# Allegro board RK3588S_Template_LP4XD200P232SD8H2_31X31_2133MHz_H1R0_V11_20220218YWQ.brd (continued)
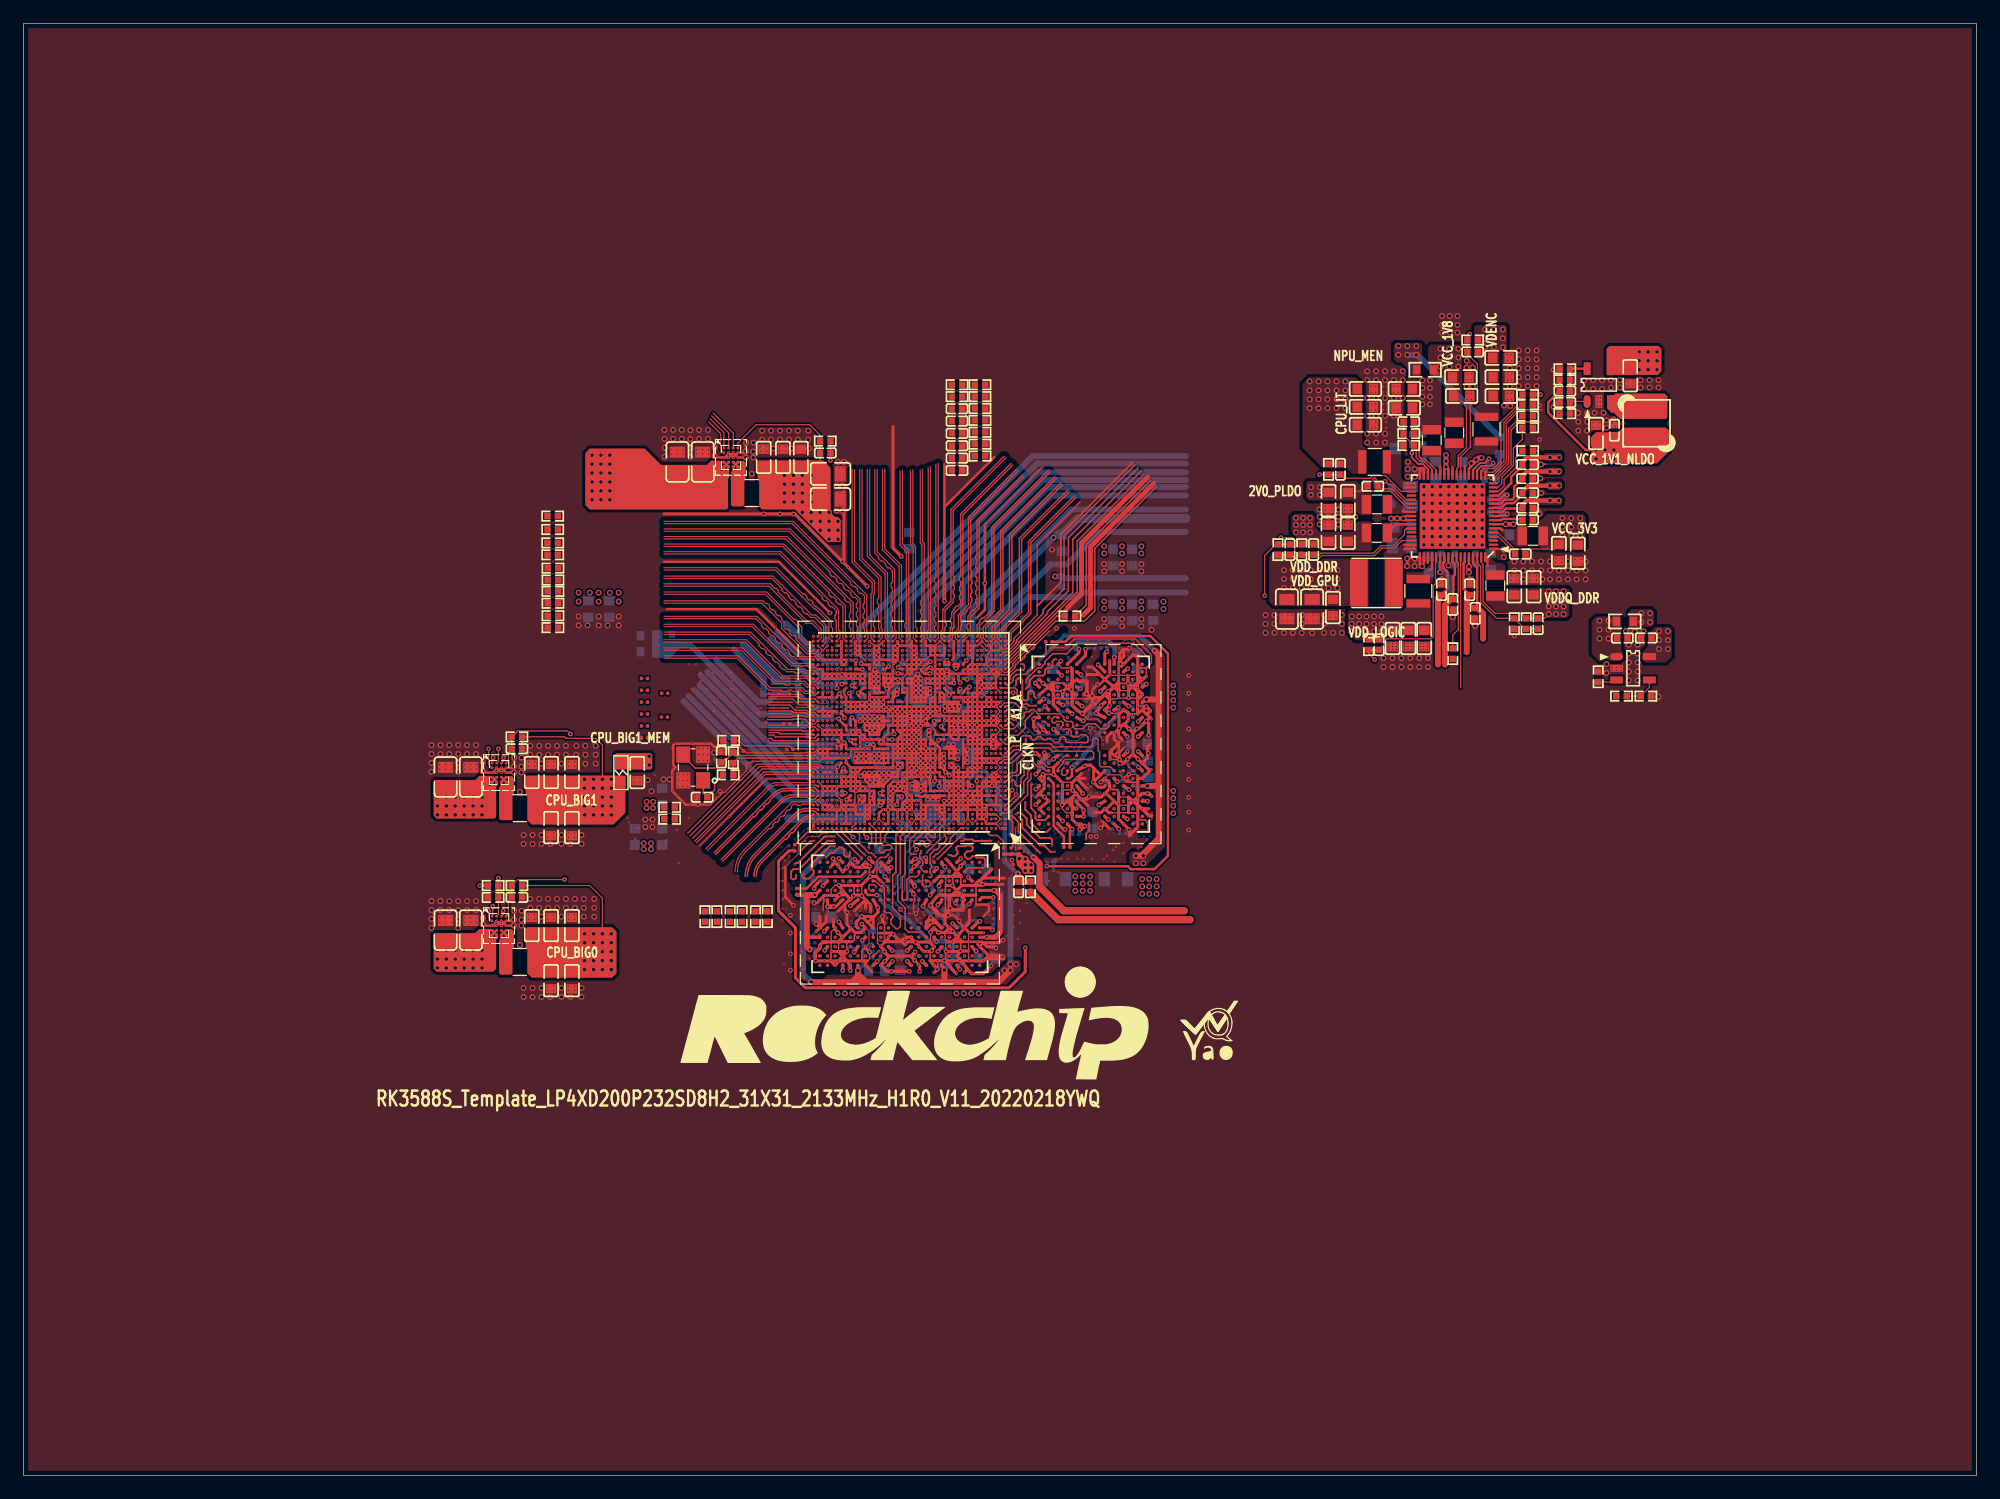
[diagram p0: board, top side]
## Nets (continued)
VDD_CPU_BIG1_MEM_S0: C1025.1 C1026.1 C1076.1 C2316.1 FB2300.2 U1000.V26(VDD_CPU_BIG1_MEM_1) U1000.V27(VDD_CPU_BIG1_MEM_2) U1000.V28(VDD_CPU_BIG1_MEM_3) U1000.V29(VDD_CPU_BIG1_MEM_4)
VDD_CPU_BIG1_S0: C1012.1 C1013.1 C1014.1 C1015.1 C1056.1 C1057.1 C1077.1 C1078.1 C1079.1 C2310.1 C2310.2 C2311.1 C2312.1 C2313.1 C2314.1 C2315.1 FB2300.1 L2301.2 R2301.1 R2301.2 U1000.R26(VDD_CPU_BIG1_1) U1000.R27(VDD_CPU_BIG1_2) U1000.R28(VDD_CPU_BIG1_3) U1000.R29(VDD_CPU_BIG1_4) U1000.R30(VDD_CPU_BIG1_5) U1000.R31(VDD_CPU_BIG1_6) U1000.R32(VDD_CPU_BIG1_7) U1000.R33(VDD_CPU_BIG1_8) U1000.T26(VDD_CPU_BIG1_9) U1000.U26(VDD_CPU_BIG1_10) U2301.A4(VOUT)
VDD_CPU_LIT_S0: C1027.1 C1028.1 C1029.1 C1034.1 C1035.1 C1060.1 C1061.1 C1081.1 C1082.1 C1083.1 C2217.1 C2218.1 C2221.1 C2221.2 C2281.1 L2203.2 R2219.1 R2219.2 U1000.AA28(VDD_CPU_LIT_MEM_1) U1000.AA29(VDD_CPU_LIT_MEM_2) U1000.AA30(VDD_CPU_LIT_MEM_3) U1000.AB31(VDD_CPU_LIT_1) U1000.AC27(VDD_CPU_LIT_2) U1000.AC28(VDD_CPU_LIT_3) U1000.AC29(VDD_CPU_LIT_4) U1000.AC30(VDD_CPU_LIT_5) U1000.AC31(VDD_CPU_LIT_6) U1000.AD26(VDD_CPU_LIT_7) U1000.AD27(VDD_CPU_LIT_8) U1000.AE27(VDD_CPU_LIT_9) U2200.37(VOUT2)
VDD_DDR_S0: C1217.1 C1218.1 C1219.1 C1220.1 C1221.1 C1222.1 C1223.1 C1224.1 C2202.1 C2203.1 C9922.1 C9922.2 L2200.1 R2200.1 R2200.2 U1000.J18(DDR_CH1_VDD_1) U1000.J20(DDR_CH1_VDD_MIF_1) U1000.K18(DDR_CH1_VDD_2) U1000.K20(DDR_CH1_VDD_MIF_2) U1000.L18(DDR_CH1_VDD_3) U1000.L20(DDR_CH1_VDD_MIF_3) U1000.T12(DDR_CH0_VDD_1) U1000.T13(DDR_CH0_VDD_2) U1000.U12(DDR_CH0_VDD_3) U1000.U13(DDR_CH0_VDD_4) U1000.V12(DDR_CH0_VDD_MIF_1) U1000.V13(DDR_CH0_VDD_MIF_2) U1000.V14(DDR_CH0_VDD_MIF_3) U2200.46(VOUT5)
VDD_GPU_S0: C1000.1 C1001.1 C1004.1 C1005.1 C1006.1 C1007.1 C1050.1 C1051.1 C1070.1 C1071.1 C1072.1 C1087.1 C2205.1 C2209.1 C2209.2 C2210.1 C2280.1 L2201.2 R2208.1 R2208.2 U1000.AH18(VDD_GPU_1) U1000.AH19(VDD_GPU_2) U1000.AH20(VDD_GPU_3) U1000.AH21(VDD_GPU_4) U1000.AJ18(VDD_GPU_MEM_1) U1000.AJ19(VDD_GPU_5) U1000.AJ20(VDD_GPU_6) U1000.AJ21(VDD_GPU_7) U1000.AK18(VDD_GPU_MEM_2) U1000.AK21(VDD_GPU_8) U1000.AL18(VDD_GPU_MEM_3) U1000.AL21(VDD_GPU_9) U1000.AM21(VDD_GPU_10) U1000.AM22(VDD_GPU_11) U1000.AN21(VDD_GPU_12) U1000.AN22(VDD_GPU_13) U2200.49(VOUT1)
VDD_LOGIC_S0: C1017.1 C1019.1 C1020.1 C1021.1 C1022.1 C1023.1 C1024.1 C1058.1 C1059.1 C2230.1 C2230.2 C2231.1 C2232.1 C2282.1 L2205.2 R2238.1 R2238.2 U1000.AF12(VDD_LOGIC_5) U1000.AF13(VDD_LOGIC_6) U1000.AH11(VDD_LOGIC_7) U1000.AH12(VDD_LOGIC_8) U1000.AH13(VDD_LOGIC_9) U1000.AH14(VDD_LOGIC_10) U1000.AH15(VDD_LOGIC_11) U1000.AH23(VDD_LOGIC_12) U1000.AH24(VDD_LOGIC_13) U1000.AJ15(VDD_LOGIC_14) U1000.AJ31(VDD_LOGIC_15) U1000.AJ32(VDD_LOGIC_16) U1000.AK15(VDD_LOGIC_17) U1000.AL31(VDD_LOGIC_18) U1000.H27(VDD_LOGIC_1) U1000.J27(VDD_LOGIC_2) U1000.W33(VDD_LOGIC_3) U1000.Y33(VDD_LOGIC_4) U2200.56(VOUT3)
VDD_NPU_S0: C1038.1 C1039.1 C1040.1 C1041.1 C1042.1 C1043.1 C1054.1 C1055.1 C1084.1 C1085.1 C2319.1 C2319.2 C2320.1 C2321.1 C2322.1 C2323.1 C2324.1 L2302.2 R2304.1 R2304.2 U1000.AH25(VDD_NPU_MEM_1) U1000.AH26(VDD_NPU_MEM_2) U1000.AJ25(VDD_NPU_MEM_3) U1000.AK25(VDD_NPU_MEM_4) U1000.AK27(VDD_NPU_1) U1000.AK28(VDD_NPU_2) U1000.AK29(VDD_NPU_3) U1000.AL28(VDD_NPU_4) U1000.AL29(VDD_NPU_5) U1000.AL30(VDD_NPU_6) U1000.AM30(VDD_NPU_7) U1000.AN30(VDD_NPU_8) U1000.AP30(VDD_NPU_9) U2302.A4(VOUT)
VDD_VDENC_S0: C1030.1 C1031.1 C1032.1 C1033.1 C1036.1 C1037.1 C1063.1 C1080.1 C1090.1 C2237.1 C2240.1 C2283.1 C2291.1 C2291.2 L2207.2 R2209.1 R2209.2 U1000.AC16(VDD_VDENC_6) U1000.AD15(VDD_VDENC_7) U1000.P15(VDD_VDENC_1) U1000.R15(VDD_VDENC_2) U1000.T15(VDD_VDENC_3) U1000.U15(VDD_VDENC_4) U1000.W16(VDD_VDENC_5) U1000.W17(VDD_VDENC_MEM_1) U1000.Y17(VDD_VDENC_MEM_2) U2200.24(VOUT4)
VDDA_0V75_S0: C1103.1 C1113.1 C1407.1 C1507.1 C1602.1 C1603.1 C1605.1 C1611.1 C1613.1 C1710.1 C1711.1 C1712.1 C1718.1 C1725.1 C2259.1 U1000.AM13(HDMI/EDP_TX0_VDD_0V75_1) U1000.AM37(MIPI_CSI0_AVCC0V75) U1000.AN8(OTP_VDDOTP_0V75) U1000.AN10(HDMI/EDP_TX0_AVDD_0V75) U1000.AN12(HDMI/EDP_TX0_VDD_0V75_2) U1000.AR27(MIPI_D/C_PHY1_VDD) U1000.AR33(MIPI_D/C_PHY0_VDD) U1000.AT11(USB20_DVDD_0V75_1) U1000.AT12(USB20_DVDD_0V75_2) U1000.Y26(PLL_DVDD0V75) U2200.11(NLDO3)
VDDA_0V85_S0: C1400.1 C1401.1 C1402.1 C1800.1 C1801.1 C2263.1 U1000.AP18(TYPEC0_DP0_VDDA_0V85_1) U1000.AR19(TYPEC0_DP0_VDDA_0V85_2) U1000.AT18(TYPEC0_DP0_VDD_0V85) U1000.H36(PCIE20_SATA30_0_AVDD_0V85) U1000.J36(PCIE20_SATA30_USB30_2_AVDD_0V85) U2200.10(NLDO4)
VDDA_1V2_S0: C1607.1 C1608.1 C2250.1 U1000.AR34(MIPI_D/C_PHY_VDD_1V2_1) U1000.AR35(MIPI_D/C_PHY_VDD_1V2_2) U2200.57(PLDO3)
VDDA_DDR_PLL_S0: C1210.1 C1215.1 C2258.1 U1000.AB14(DDR_CH0_PLL_DVDD) U1000.M16(DDR_CH1_PLL_DVDD) U2200.12(NLDO2)
VDDQ_DDR: C3807.1 C3808.1 C3809.1 C3810.1 C3811.1 C3812.1 C3813.1 C3814.1 C3815.1 C3816.1 C3817.1 C3818.1 C3819.1 C3820.1 C3821.1 C3822.1 C3823.1 C3824.1 C3825.1 C3849.1 C3850.1 C3851.1 C3852.1 C3853.1 C3854.1 C3855.1 C3856.1 C3857.1 C3858.1 C3859.1 C3860.1 C3861.1 C3862.1 C3863.1 C3864.1 C3865.1 C3866.1 C3867.1 R3804.1 R3805.1 R3806.1 R3807.1 R3808.1 R3809.1 U3800.AA3(VDDQ_17) U3800.AA5(VDDQ_18) U3800.AA8(VDDQ_19) U3800.AA10(VDDQ_20) U3800.B3(VDDQ_1) U3800.B5(VDDQ_2) U3800.B8(VDDQ_3) U3800.B10(VDDQ_4) U3800.D1(VDDQ_5) U3800.D5(VDDQ_6) U3800.D8(VDDQ_7) U3800.D12(VDDQ_8) U3800.F3(VDDQ_9) U3800.F10(VDDQ_10) U3800.U3(VDDQ_11) U3800.U10(VDDQ_12) U3800.W1(VDDQ_13) U3800.W5(VDDQ_14) U3800.W8(VDDQ_15) U3800.W12(VDDQ_16) U3801.AA3(VDDQ_17) U3801.AA5(VDDQ_18) U3801.AA8(VDDQ_19) U3801.AA10(VDDQ_20) U3801.B3(VDDQ_1) U3801.B5(VDDQ_2) U3801.B8(VDDQ_3) U3801.B10(VDDQ_4) U3801.D1(VDDQ_5) U3801.D5(VDDQ_6) U3801.D8(VDDQ_7) U3801.D12(VDDQ_8) U3801.F3(VDDQ_9) U3801.F10(VDDQ_10) U3801.U3(VDDQ_11) U3801.U10(VDDQ_12) U3801.W1(VDDQ_13) U3801.W5(VDDQ_14) U3801.W8(VDDQ_15) U3801.W12(VDDQ_16)
VDDQ_DDR_CK_S0: C1213.1 C1216.1 R3821.2 U1000.H24(DDR_CH1_VDDQ_CK) U1000.K9(DDR_CH0_VDDQ_CK_1) U1000.L9(DDR_CH0_VDDQ_CK_2)
VDDQ_DDR_CKE_S3: C1211.1 C1212.1 R3820.2 U1000.G24(DDR_CH1_VDDQ_CKE) U1000.M6(DDR_CH0_VDDQ_CKE_1) U1000.M7(DDR_CH0_VDDQ_CKE_2)
VDDQ_DDR_S0: C1200.1 C1202.1 C1203.1 C1204.1 C1205.1 C1206.1 C1207.1 C1208.1 C1250.1 C1251.1 C1252.1 C1253.1 C2227.1 C2228.1 C2229.1 L2204.1 R1200.2 R1201.2 R1202.2 R1203.2 R2236.1 R3808.2 R3821.1 U1000.H14(DDR_CH1_VDDQ_1) U1000.H15(DDR_CH1_VDDQ_2) U1000.H16(DDR_CH1_VDDQ_3) U1000.H18(DDR_CH1_VDDQ_4) U1000.H20(DDR_CH1_VDDQ_5) U1000.P10(DDR_CH0_VDDQ_1) U1000.R10(DDR_CH0_VDDQ_2) U1000.T10(DDR_CH0_VDDQ_3) U1000.V10(DDR_CH0_VDDQ_4) U1000.W10(DDR_CH0_VDDQ_5) U1000.Y10(DDR_CH0_VDDQ_6) U2200.67(VOUT9)
ALPS_INT_L: U1000.N41(GPIO1_C1_Z)
BIG/NPU_EN: R2302.2 R2303.1 U2300.A2(EN) U2301.A2(EN) U2302.A2(EN)
BQ_OTG_EN_H: U1000.AV18(GPIO4_A6_D)
BT_REG_ON_H: U1000.AL39(GPIO0_D4_U)
BT_WAKE_HOST_H: U1000.AG38(GPIO0_C5_U)
CC_INT0_L: U1000.AL38(GPIO0_C4_D)
CHRG_OK_H: U1000.AM39(GPIO0_D5_U)
DDR_CH0_A0_A: U1000.U1(DDR_CH0_A0_A) U3800.H2(CA0_A)
DDR_CH0_A0_B: U1000.U2(DDR_CH0_A0_B) U3800.R2(CA0_B)
DDR_CH0_A1_A: U1000.AC2(DDR_CH0_A1_A) U3800.J2(CA1_A)
DDR_CH0_A1_B: U1000.R2(DDR_CH0_A1_B) U3800.P2(CA1_B)
DDR_CH0_A2_A: U1000.AF1(DDR_CH0_A2_A) U3800.H9(CA2_A)
DDR_CH0_A2_B: U1000.R1(DDR_CH0_A2_B) U3800.R9(CA2_B)
DDR_CH0_A3_A: U1000.AL2(DDR_CH0_A3_A) U3800.H10(CA3_A)
DDR_CH0_A3_B: U1000.D2(DDR_CH0_A3_B) U3800.R10(CA3_B)
DDR_CH0_A4_A: U1000.Y1(DDR_CH0_A4_A) U3800.H11(CA4_A)
DDR_CH0_A4_B: U1000.E1(DDR_CH0_A4_B) U3800.R11(CA4_B)
DDR_CH0_A5_A: U1000.AG2(DDR_CH0_A5_A) U3800.J11(CA5_A)
DDR_CH0_A5_B: U1000.L1(DDR_CH0_A5_B) U3800.P11(CA5_B)
DDR_CH0_A6_A: U1000.AM2(DDR_CH0_A6_A)
DDR_CH0_A6_B: U1000.H1(DDR_CH0_A6_B)
DDR_CH0_CLKN_A: U1000.AA1(DDR_CH0_CKB_A) U3800.J9(CK_C_A)
DDR_CH0_CLKN_B: U1000.V1(DDR_CH0_CKB_B) U3800.P9(CK_C_B)
DDR_CH0_CLKP_A: U1000.AA2(DDR_CH0_CK_A) U3800.J8(CK_T_A)
DDR_CH0_CLKP_B: U1000.V2(DDR_CH0_CK_B) U3800.P8(CK_T_B)
DDR_CH0_DM0_A: U1000.AE1(DDR_CH0_DM0_A) U3800.C3(DMI0_A)
DDR_CH0_DM0_B: U1000.V5(DDR_CH0_DM0_B) U3800.Y3(DMI0_B)
DDR_CH0_DM1_A: U1000.AK4(DDR_CH0_DM1_A) U3800.C10(DMI1_A)
DDR_CH0_DM1_B: U1000.G2(DDR_CH0_DM1_B) U3800.Y10(DMI1_B)
DDR_CH0_DQ0_A: U1000.AJ2(DDR_CH0_DQ0_A) U3800.B2(DQ0_A)
DDR_CH0_DQ0_B: U1000.U3(DDR_CH0_DQ0_B) U3800.AA2(DQ0_B)
DDR_CH0_DQ1_A: U1000.AB4(DDR_CH0_DQ1_A) U3800.C2(DQ1_A)
DDR_CH0_DQ1_B: U1000.AA5(DDR_CH0_DQ1_B) U3800.Y2(DQ1_B)
DDR_CH0_DQ2_A: U1000.AJ1(DDR_CH0_DQ2_A) U3800.E2(DQ2_A)
DDR_CH0_DQ2_B: U1000.N1(DDR_CH0_DQ2_B) U3800.V2(DQ2_B)
DDR_CH0_DQ3_A: U1000.AB3(DDR_CH0_DQ3_A) U3800.F2(DQ3_A)
DDR_CH0_DQ3_B: U1000.U5(DDR_CH0_DQ3_B) U3800.U2(DQ3_B)
DDR_CH0_DQ4_A: U1000.AB5(DDR_CH0_DQ4_A) U3800.F4(DQ4_A)
DDR_CH0_DQ4_B: U1000.P4(DDR_CH0_DQ4_B) U3800.U4(DQ4_B)
DDR_CH0_DQ5_A: U1000.AE5(DDR_CH0_DQ5_A) U3800.E4(DQ5_A)
DDR_CH0_DQ5_B: U1000.P3(DDR_CH0_DQ5_B) U3800.V4(DQ5_B)
DDR_CH0_DQ6_A: U1000.AE2(DDR_CH0_DQ6_A) U3800.C4(DQ6_A)
DDR_CH0_DQ6_B: U1000.U4(DDR_CH0_DQ6_B) U3800.Y4(DQ6_B)
DDR_CH0_DQ7_A: U1000.AF3(DDR_CH0_DQ7_A) U3800.B4(DQ7_A)
DDR_CH0_DQ7_B: U1000.P5(DDR_CH0_DQ7_B) U3800.AA4(DQ7_B)
DDR_CH0_DQ8_A: U1000.AK5(DDR_CH0_DQ8_A) U3800.B11(DQ8_A)
DDR_CH0_DQ8_B: U1000.G5(DDR_CH0_DQ8_B) U3800.AA11(DQ8_B)
DDR_CH0_DQ9_A: U1000.AN5(DDR_CH0_DQ9_A) U3800.C11(DQ9_A)
DDR_CH0_DQ9_B: U1000.J3(DDR_CH0_DQ9_B) U3800.Y11(DQ9_B)
DDR_CH0_DQ10_A: U1000.AN4(DDR_CH0_DQ10_A) U3800.E11(DQ10_A)
DDR_CH0_DQ10_B: U1000.G4(DDR_CH0_DQ10_B) U3800.V11(DQ10_B)
DDR_CH0_DQ11_A: U1000.AJ6(DDR_CH0_DQ11_A) U3800.F11(DQ11_A)
DDR_CH0_DQ11_B: U1000.J4(DDR_CH0_DQ11_B) U3800.U11(DQ11_B)
DDR_CH0_DQ12_A: U1000.AJ3(DDR_CH0_DQ12_A) U3800.F9(DQ12_A)
DDR_CH0_DQ12_B: U1000.N5(DDR_CH0_DQ12_B) U3800.U9(DQ12_B)
DDR_CH0_DQ13_A: U1000.AK3(DDR_CH0_DQ13_A) U3800.E9(DQ13_A)
DDR_CH0_DQ13_B: U1000.N2(DDR_CH0_DQ13_B) U3800.V9(DQ13_B)
DDR_CH0_DQ14_A: U1000.AF4(DDR_CH0_DQ14_A) U3800.C9(DQ14_A)
DDR_CH0_DQ14_B: U1000.J5(DDR_CH0_DQ14_B) U3800.Y9(DQ14_B)
DDR_CH0_DQ15_A: U1000.AF5(DDR_CH0_DQ15_A) U3800.B9(DQ15_A)
DDR_CH0_DQ15_B: U1000.N6(DDR_CH0_DQ15_B) U3800.AA9(DQ15_B)
DDR_CH0_DQS0N_A: U1000.AN2(DDR_CH0_DQS0N_A) U3800.E3(DQS0_C_A)
DDR_CH0_DQS0N_B: U1000.B1(DDR_CH0_DQS0N_B) U3800.V3(DQS0_C_B)
DDR_CH0_DQS0P_A: U1000.AN1(DDR_CH0_DQS0P_A) U3800.D3(DQS0_T_A)
DDR_CH0_DQS0P_B: U1000.B2(DDR_CH0_DQS0P_B) U3800.W3(DQS0_T_B)
DDR_CH0_DQS1N_A: U1000.AV3(DDR_CH0_DQS1N_A) U3800.E10(DQS1_C_A)
DDR_CH0_DQS1N_B: U1000.K2(DDR_CH0_DQS1N_B) U3800.V10(DQS1_C_B)
DDR_CH0_DQS1P_A: U1000.AV4(DDR_CH0_DQS1P_A) U3800.D10(DQS1_T_A)
DDR_CH0_DQS1P_B: U1000.K1(DDR_CH0_DQS1P_B) U3800.W10(DQS1_T_B)
DDR_CH0_LP4/4X_CKE0/LP5_CS0_A: R3810.1 U1000.AK1(DDR_CH0_LP4/4X_CKE0/LP5_CS0_A)
DDR_CH0_LP4/4X_CKE0/LP5_CS0_B: R3812.2 U1000.H2(DDR_CH0_LP4/4X_CKE0/LP5_CS0_B)
DDR_CH0_LP4/4X_CKE1/LP5_CS1_A: R3811.1 U1000.AD1(DDR_CH0_LP4/4X_CKE1/LP5_CS1_A)
DDR_CH0_LP4/4X_CKE1/LP5_CS1_B: R3813.2 U1000.F1(DDR_CH0_LP4/4X_CKE1/LP5_CS1_B)
DDR_CH0_LP4/4X_CS0_A: U1000.Y2(DDR_CH0_LP4/4X_CS0_A) U3800.H4(CS0_A)
DDR_CH0_LP4/4X_CS0_B: U1000.J1(DDR_CH0_LP4/4X_CS0_B) U3800.R4(CS0_B)
DDR_CH0_LP4/4X_CS1_A: U1000.AC1(DDR_CH0_LP4/4X_CS1_A) U3800.H3(CS1_A)
DDR_CH0_LP4/4X_CS1_B: U1000.M1(DDR_CH0_LP4/4X_CS1_B) U3800.R3(CS1_B)
DDR_CH0_WCK0N_A: U1000.AR5(DDR_CH0_WCK0N_A)
DDR_CH0_WCK0N_B: U1000.C3(DDR_CH0_WCK0N_B)
DDR_CH0_WCK0P_A: U1000.AR6(DDR_CH0_WCK0P_A)
DDR_CH0_WCK0P_B: U1000.C4(DDR_CH0_WCK0P_B)
DDR_CH0_WCK1N_A: U1000.AT3(DDR_CH0_WCK1N_A)
DDR_CH0_WCK1N_B: U1000.E4(DDR_CH0_WCK1N_B)
DDR_CH0_WCK1P_A: U1000.AT4(DDR_CH0_WCK1P_A)
DDR_CH0_WCK1P_B: U1000.E3(DDR_CH0_WCK1P_B)
DDR_CH1_A0_C: U1000.B18(DDR_CH1_A0_C) U3801.H2(CA0_A)
DDR_CH1_A0_D: U1000.A26(DDR_CH1_A0_D) U3801.R2(CA0_B)
DDR_CH1_A1_C: U1000.A21(DDR_CH1_A1_C) U3801.J2(CA1_A)
DDR_CH1_A1_D: U1000.A27(DDR_CH1_A1_D) U3801.P2(CA1_B)
DDR_CH1_A2_C: U1000.B22(DDR_CH1_A2_C) U3801.H9(CA2_A)
DDR_CH1_A2_D: U1000.A30(DDR_CH1_A2_D) U3801.R9(CA2_B)
DDR_CH1_A3_C: U1000.A7(DDR_CH1_A3_C) U3801.H10(CA3_A)
DDR_CH1_A3_D: U1000.A36(DDR_CH1_A3_D) U3801.R10(CA3_B)
DDR_CH1_A4_C: U1000.A10(DDR_CH1_A4_C) U3801.H11(CA4_A)
DDR_CH1_A4_D: U1000.B33(DDR_CH1_A4_D) U3801.R11(CA4_B)
DDR_CH1_A5_C: U1000.A15(DDR_CH1_A5_C) U3801.J11(CA5_A)
DDR_CH1_A5_D: U1000.A38(DDR_CH1_A5_D) U3801.P11(CA5_B)
DDR_CH1_A6_C: U1000.B7(DDR_CH1_A6_C)
DDR_CH1_A6_D: U1000.A33(DDR_CH1_A6_D)
DDR_CH1_CLKN_C: U1000.D21(DDR_CH1_CKB_C) U3801.J9(CK_C_A)
DDR_CH1_CLKN_D: U1000.D23(DDR_CH1_CKB_D) U3801.P9(CK_C_B)
DDR_CH1_CLKP_C: U1000.C21(DDR_CH1_CK_C) U3801.J8(CK_T_A)
DDR_CH1_CLKP_D: U1000.C23(DDR_CH1_CK_D) U3801.P8(CK_T_B)
DDR_CH1_DM0_C: U1000.E17(DDR_CH1_DM0_C) U3801.C3(DMI0_A)
DDR_CH1_DM0_D: U1000.D27(DDR_CH1_DM0_D) U3801.Y3(DMI0_B)
DDR_CH1_DM1_C: U1000.D13(DDR_CH1_DM1_C) U3801.C10(DMI1_A)
DDR_CH1_DM1_D: U1000.C33(DDR_CH1_DM1_D) U3801.Y10(DMI1_B)
DDR_CH1_DQ0_C: U1000.B20(DDR_CH1_DQ0_C) U3801.B2(DQ0_A)
DDR_CH1_DQ0_D: U1000.A24(DDR_CH1_DQ0_D) U3801.AA2(DQ0_B)
DDR_CH1_DQ1_C: U1000.E20(DDR_CH1_DQ1_C) U3801.C2(DQ1_A)
DDR_CH1_DQ1_D: U1000.C25(DDR_CH1_DQ1_D) U3801.Y2(DQ1_B)
DDR_CH1_DQ2_C: U1000.A20(DDR_CH1_DQ2_C) U3801.E2(DQ2_A)
DDR_CH1_DQ2_D: U1000.B24(DDR_CH1_DQ2_D) U3801.V2(DQ2_B)
DDR_CH1_DQ3_C: U1000.F20(DDR_CH1_DQ3_C) U3801.F2(DQ3_A)
DDR_CH1_DQ3_D: U1000.A28(DDR_CH1_DQ3_D) U3801.U2(DQ3_B)
DDR_CH1_DQ4_C: U1000.C17(DDR_CH1_DQ4_C) U3801.F4(DQ4_A)
DDR_CH1_DQ4_D: U1000.D25(DDR_CH1_DQ4_D) U3801.U4(DQ4_B)
DDR_CH1_DQ5_C: U1000.C16(DDR_CH1_DQ5_C) U3801.E4(DQ5_A)
DDR_CH1_DQ5_D: U1000.B28(DDR_CH1_DQ5_D) U3801.V4(DQ5_B)
DDR_CH1_DQ6_C: U1000.D17(DDR_CH1_DQ6_C) U3801.C4(DQ6_A)
DDR_CH1_DQ6_D: U1000.C27(DDR_CH1_DQ6_D) U3801.Y4(DQ6_B)
DDR_CH1_DQ7_C: U1000.D16(DDR_CH1_DQ7_C) U3801.B4(DQ7_A)
DDR_CH1_DQ7_D: U1000.C29(DDR_CH1_DQ7_D) U3801.AA4(DQ7_B)
DDR_CH1_DQ8_C: U1000.D10(DDR_CH1_DQ8_C) U3801.B11(DQ8_A)
DDR_CH1_DQ8_D: U1000.D34(DDR_CH1_DQ8_D) U3801.AA11(DQ8_B)
DDR_CH1_DQ9_C: U1000.B12(DDR_CH1_DQ9_C) U3801.C11(DQ9_A)
DDR_CH1_DQ9_D: U1000.D29(DDR_CH1_DQ9_D) U3801.Y11(DQ9_B)
DDR_CH1_DQ10_C: U1000.A12(DDR_CH1_DQ10_C) U3801.E11(DQ10_A)
DDR_CH1_DQ10_D: U1000.E29(DDR_CH1_DQ10_D) U3801.V11(DQ10_B)
DDR_CH1_DQ11_C: U1000.C10(DDR_CH1_DQ11_C) U3801.F11(DQ11_A)
DDR_CH1_DQ11_D: U1000.E32(DDR_CH1_DQ11_D) U3801.U11(DQ11_B)
DDR_CH1_DQ12_C: U1000.C13(DDR_CH1_DQ12_C) U3801.F9(DQ12_A)
DDR_CH1_DQ12_D: U1000.B32(DDR_CH1_DQ12_D) U3801.U9(DQ12_B)
DDR_CH1_DQ13_C: U1000.E13(DDR_CH1_DQ13_C) U3801.E9(DQ13_A)
DDR_CH1_DQ13_D: U1000.C34(DDR_CH1_DQ13_D) U3801.V9(DQ13_B)
DDR_CH1_DQ14_C: U1000.A16(DDR_CH1_DQ14_C) U3801.C9(DQ14_A)
DDR_CH1_DQ14_D: U1000.C32(DDR_CH1_DQ14_D) U3801.Y9(DQ14_B)
DDR_CH1_DQ15_C: U1000.B16(DDR_CH1_DQ15_C) U3801.B9(DQ15_A)
DDR_CH1_DQ15_D: U1000.A32(DDR_CH1_DQ15_D) U3801.AA9(DQ15_B)
DDR_CH1_DQS0N_C: U1000.B9(DDR_CH1_DQS0N_C) U3801.E3(DQS0_C_A)
DDR_CH1_DQS0N_D: U1000.A41(DDR_CH1_DQS0N_D) U3801.V3(DQS0_C_B)
DDR_CH1_DQS0P_C: U1000.A9(DDR_CH1_DQS0P_C) U3801.D3(DQS0_T_A)
DDR_CH1_DQS0P_D: U1000.B41(DDR_CH1_DQS0P_D) U3801.W3(DQS0_T_B)
DDR_CH1_DQS1N_C: U1000.A4(DDR_CH1_DQS1N_C) U3801.E10(DQS1_C_A)
DDR_CH1_DQS1N_D: U1000.C36(DDR_CH1_DQS1N_D) U3801.V10(DQS1_C_B)
DDR_CH1_DQS1P_C: U1000.A3(DDR_CH1_DQS1P_C) U3801.D10(DQS1_T_A)
DDR_CH1_DQS1P_D: U1000.D36(DDR_CH1_DQS1P_D) U3801.W10(DQS1_T_B)
DDR_CH1_LP4/4X_CKE0/LP5_CS0_C: R3814.1 U1000.A18(DDR_CH1_LP4/4X_CKE0/LP5_CS0_C)
DDR_CH1_LP4/4X_CKE0/LP5_CS0_D: R3816.2 U1000.A35(DDR_CH1_LP4/4X_CKE0/LP5_CS0_D)
DDR_CH1_LP4/4X_CKE1/LP5_CS1_C: R3815.1 U1000.A13(DDR_CH1_LP4/4X_CKE1/LP5_CS1_C)
DDR_CH1_LP4/4X_CKE1/LP5_CS1_D: R3817.2 U1000.A31(DDR_CH1_LP4/4X_CKE1/LP5_CS1_D)
DDR_CH1_LP4/4X_CS0_C: U1000.B15(DDR_CH1_LP4/4X_CS0_C) U3801.H4(CS0_A)
DDR_CH1_LP4/4X_CS0_D: U1000.B30(DDR_CH1_LP4/4X_CS0_D) U3801.R4(CS0_B)
DDR_CH1_LP4/4X_CS1_C: U1000.A19(DDR_CH1_LP4/4X_CS1_C) U3801.H3(CS1_A)
DDR_CH1_LP4/4X_CS1_D: U1000.A23(DDR_CH1_LP4/4X_CS1_D) U3801.R3(CS1_B)
DDR_CH1_WCK0N_C: U1000.D8(DDR_CH1_WCK0N_C)
DDR_CH1_WCK0N_D: U1000.A39(DDR_CH1_WCK0N_D)
DDR_CH1_WCK0P_C: U1000.C8(DDR_CH1_WCK0P_C)
DDR_CH1_WCK0P_D: U1000.B39(DDR_CH1_WCK0P_D)
DDR_CH1_WCK1N_C: U1000.A6(DDR_CH1_WCK1N_C)
DDR_CH1_WCK1N_D: U1000.B37(DDR_CH1_WCK1N_D)
DDR_CH1_WCK1P_C: U1000.B6(DDR_CH1_WCK1P_C)
DDR_CH1_WCK1P_D: U1000.A37(DDR_CH1_WCK1P_D)
DDR_RESET: C3898.1 C3899.1 U1000.AG1(DDR_CH0_RESET_A) U3800.T11(RESET_N) U3801.T11(RESET_N)
EDP_TX0_AUXN: U1000.AY1(HDMI_TX0_SBDN/EDP_TX0_AUXN)
EDP_TX0_AUXP: U1000.BA1(HDMI_TX0_SBDP/EDP_TX0_AUXP)
EDP_TX0_D0N: U1000.BA4(HDMI_TX0_D0N/EDP_TX0_D0N)
EDP_TX0_D0P: U1000.BB4(HDMI_TX0_D0P/EDP_TX0_D0P)
EDP_TX0_D1N: U1000.BB5(HDMI_TX0_D1N/EDP_TX0_D1N)
EDP_TX0_D1P: U1000.BA5(HDMI_TX0_D1P/EDP_TX0_D1P)
EDP_TX0_D2N: U1000.BA7(HDMI_TX0_D2N/EDP_TX0_D2N)
EDP_TX0_D2P: U1000.BB7(HDMI_TX0_D2P/EDP_TX0_D2P)
EDP_TX0_D3N: U1000.BB2(HDMI_TX0_D3N/EDP_TX0_D3N)
EDP_TX0_D3P: U1000.BA2(HDMI_TX0_D3P/EDP_TX0_D3P)
EMMC_CLKOUT: R1309.2
EMMC_CMD: R1306.2
EMMC_CMD/FSPI_CLK: R1306.1 R1316.1 U1000.AE42(GPIO2_A0_U)
EMMC_D0: R1300.2
EMMC_D0/FSPI_D0: R1300.1 R1308.1 U1000.Y41(GPIO2_D0_U)
EMMC_D1: R1301.2
EMMC_D1/FSPI_D1: R1301.1 R1310.1 U1000.Y40(GPIO2_D1_U)
EMMC_D2: R1302.2
EMMC_D2/FSPI_D2: R1302.1 R1312.1 U1000.AA41(GPIO2_D2_U)
EMMC_D3: R1303.2
EMMC_D3/FSPI_D3: R1303.1 R1313.1 U1000.AA42(GPIO2_D3_U)
EMMC_D4: R1305.2
EMMC_D5: R1330.2
EMMC_D6: R1304.2
EMMC_D6/FSPI_CS0: R1304.1 R1315.1 U1000.AD41(GPIO2_D6_U)
EMMC_D7: U1000.AE41(GPIO2_D7_U)
EMMC_DATA_STROBE: U1000.AC40(GPIO2_A2_D)
EMMC_RSTN: U1000.AD40(GPIO2_A3_D)
FSPI_CLK: R1316.2
FSPI_CS0: R1315.2
FSPI_D0: R1308.2
FSPI_D1: R1310.2
FSPI_D2: R1312.2
FSPI_D3: R1313.2
GAUGE_ALRT: U1000.AG39(GPIO0_D0_D)
GSENSOR_INT_L: U1000.R39(GPIO1_D3_D)
HALL_INT_L: U1000.AG37(GPIO0_D3_U)
HDMI0_TX_ON_H: U1000.AW22(GPIO4_B6_D)
HDMI/EDP_TX0_REXT: R1708.1 U1000.AY3(HDMI/EDP_TX0_REXT)
HDMI_TX0_CEC_M0: U1000.AY26(GPIO4_C1_D)
HDMI_TX0_HPD_M0: U1000.M40(GPIO1_A5_D)
HDMI_TX0_SCL_M0: U1000.AV22(GPIO4_B7_U)
HDMI_TX0_SDA_M0: U1000.AW23(GPIO4_C0_U)
HOST0_REXT: R1405.1 U1000.AW5(USB20_HOST0_REXT)
HOST1_REXT: R1406.1 U1000.AU6(USB20_HOST1_REXT)
HOST_WAKE_BT_H: U1000.AH42(GPIO0_C6_U)
HP_DET_L: U1000.R38(GPIO1_C0_Z)
I2C0_SCL_M2: R1111.2 U1000.AH41(GPIO0_D1_U) U2300.A3(SCL) U2301.A3(SCL)
I2C0_SDA_M2: R1112.2 U1000.AG41(GPIO0_D2_U) U2300.B1(SDA) U2301.B1(SDA)
I2C2_SCL_M0: R1113.2 U1000.AK39(GPIO0_B7_D) U2302.A3(SCL)
I2C2_SDA_M0: R1114.2 U1000.AM40(GPIO0_C0_D) U2302.B1(SDA)
I2C3_SCL_M1_SENSOR: R1904.2 U1000.AY34(GPIO3_B7_D)
I2C3_SDA_M1_SENSOR: R1905.2 U1000.AR36(GPIO3_C0_D)
I2C4_SCL_M3_TP: R1911.2 U1000.L39(GPIO1_A3_D)
I2C4_SDA_M3_TP: R1910.2 U1000.D38(GPIO1_A2_D)
I2C5_SCL_M3_CAM: R1916.2 U1000.L38(GPIO1_B6_U)
I2C5_SDA_M3_CAM: R1917.2 U1000.F37(GPIO1_B7_U)
I2C6_SCL_M3: R1914.2 U1000.AU22(GPIO4_B1_U)
I2C6_SDA_M3: R1915.2 U1000.AW27(GPIO4_B0_D)
I2C7_SCL_M0_CODEC: R1510.2 U1000.U37(GPIO1_D0_D)
I2C7_SDA_M0_CODEC: R1509.2 U1000.U38(GPIO1_D1_D)
I2C8_SCL_M2_CAM: R1921.2 U1000.L37(GPIO1_D6_U)
I2C8_SDA_M2_CAM: R1922.2 U1000.G38(GPIO1_D7_U)
I2S0_LRCK_TX: U1000.P39(GPIO1_C5_D)
I2S0_MCLK: U1000.U36(GPIO1_C2_D)
I2S0_SCLK_TX: U1000.M42(GPIO1_C3_D)
I2S0_SDI0: U1000.N42(GPIO1_D4_D)
I2S0_SDO0: U1000.P41(GPIO1_C7_D)
I2S2_LRCK_M1_BT: U1000.AW37(GPIO3_B6_D)
I2S2_SCLK_M1_BT: U1000.AY35(GPIO3_B5_U)
I2S2_SDI_M1_BT: U1000.AW34(GPIO3_B2_D)
I2S2_SDO_M1_BT: U1000.AW35(GPIO3_B3_U)
IR_CAM_NTC: C1502.1 U1000.AV11(SARADC_IN2)
IR_CAM_RST_AP: U1000.AV35(GPIO3_B4_U)
IR_CAM_STROBE_AP: U1000.AW38(GPIO3_C1_D)
IR_PRO_NTC: R1521.2
LCD_BL_PWM14_M1: U1000.AT15(GPIO4_B2_U)
LCD_PWREN_H: U1000.AY19(GPIO4_A3_D)
LCD_RESET_L: U1000.H39(GPIO1_B0_U)
MIPI_CAM1_CLKOUT: U1000.AV37(GPIO3_A6_D)
MIPI_CAM1_PDN_L: U1000.D39(GPIO1_A6_D)
MIPI_CAM1_PWREN_H: U1000.G37(GPIO1_A4_D)
MIPI_CAM1_RST_L: U1000.M38(GPIO1_B2_D)
MIPI_CAM2_CLKOUT: U1000.AT37(GPIO3_A7_U)
MIPI_CAM2_PDN_L: U1000.H38(GPIO1_A7_U)
MIPI_CAM2_PWREN_H: U1000.G39(GPIO1_B1_D)
MIPI_CAM2_RST_L: U1000.M37(GPIO1_B3_D)
MIPI_CAM3_CLKOUT: U1000.AR39(GPIO3_B0_U)
MIPI_CAM3_PDN_L: U1000.AV30(GPIO3_C6_U)
MIPI_CAM3_PWREN_H: U1000.AV34(GPIO3_C5_U)
MIPI_CAM3_RST_L: U1000.AU34(GPIO3_C4_U)
MIPI_CPHY0_RX_TRIO0_A: U1000.BB38(MIPI_DPHY0_RX_D0N/MIPI_CPHY0_RX)
MIPI_CPHY0_RX_TRIO0_B: U1000.BA38(MIPI_DPHY0_RX_D0P/MIPI_CPHY0_RX)
MIPI_CPHY0_RX_TRIO0_C: U1000.AY40(MIPI_DPHY0_RX_D1N/MIPI_CPHY0_RX)
MIPI_CPHY0_RX_TRIO1_A: U1000.BA40(MIPI_DPHY0_RX_D1P/MIPI_CPHY0_RX)
MIPI_CPHY0_RX_TRIO1_B: U1000.BA41(MIPI_DPHY0_RX_CLKN/MIPI_CPHY0_R)
MIPI_CPHY0_RX_TRIO1_C: U1000.BB41(MIPI_DPHY0_RX_CLKP/MIPI_CPHY0_R)
MIPI_CPHY0_RX_TRIO2_A: U1000.BA42(MIPI_DPHY0_RX_D2N/MIPI_CPHY0_RX)
MIPI_CPHY0_RX_TRIO2_B: U1000.AY42(MIPI_DPHY0_RX_D2P/MIPI_CPHY0_RX)
MIPI_CPHY0_RX_TRIO2_C: U1000.AW42(MIPI_DPHY0_RX_D3N/MIPI_CPHY0_RX)
MIPI_CPHY0_TX_TRIO0_A: U1000.BA31(MIPI_DPHY0_TX_D0N/MIPI_CPHY0_TX)
MIPI_CPHY0_TX_TRIO0_B: U1000.BB31(MIPI_DPHY0_TX_D0P/MIPI_CPHY0_TX)
MIPI_CPHY0_TX_TRIO0_C: U1000.BB32(MIPI_DPHY0_TX_D1N/MIPI_CPHY0_TX)
MIPI_CPHY0_TX_TRIO1_A: U1000.BA32(MIPI_DPHY0_TX_D1P/MIPI_CPHY0_TX)
MIPI_CPHY0_TX_TRIO1_B: U1000.BA34(MIPI_DPHY0_TX_CLKN/MIPI_CPHY0_T)
MIPI_CPHY0_TX_TRIO1_C: U1000.BB34(MIPI_DPHY0_TX_CLKP/MIPI_CPHY0_T)
MIPI_CPHY0_TX_TRIO2_A: U1000.BB35(MIPI_DPHY0_TX_D2N/MIPI_CPHY0_TX)
MIPI_CPHY0_TX_TRIO2_B: U1000.BA35(MIPI_DPHY0_TX_D2P/MIPI_CPHY0_TX)
MIPI_CPHY0_TX_TRIO2_C: U1000.BA37(MIPI_DPHY0_TX_D3N/MIPI_CPHY0_TX)
MIPI_CPHY1_RX_TRIO0_A: U1000.BB23(MIPI_DPHY1_RX_D0N/MIPI_CPHY1_RX)
MIPI_CPHY1_RX_TRIO0_B: U1000.BA23(MIPI_DPHY1_RX_D0P/MIPI_CPHY1_RX)
MIPI_CPHY1_RX_TRIO0_C: U1000.BA25(MIPI_DPHY1_RX_D1N/MIPI_CPHY1_RX)
MIPI_CPHY1_RX_TRIO1_A: U1000.BB25(MIPI_DPHY1_RX_D1P/MIPI_CPHY1_RX)
MIPI_CPHY1_RX_TRIO1_B: U1000.BB26(MIPI_DPHY1_RX_CLKN/MIPI_CPHY1_R)
MIPI_CPHY1_RX_TRIO1_C: U1000.BA26(MIPI_DPHY1_RX_CLKP/MIPI_CPHY1_R)
MIPI_CPHY1_RX_TRIO2_A: U1000.BA28(MIPI_DPHY1_RX_D2N/MIPI_CPHY1_RX)
MIPI_CPHY1_RX_TRIO2_B: U1000.BB28(MIPI_DPHY1_RX_D2P/MIPI_CPHY1_RX)
MIPI_CPHY1_RX_TRIO2_C: U1000.BB29(MIPI_DPHY1_RX_D3N/MIPI_CPHY1_RX)
MIPI_CSI0_RX_CLK0N: U1000.AN41(MIPI_CSI0_CLK0N)
MIPI_CSI0_RX_CLK0P: U1000.AN42(MIPI_CSI0_CLK0P)
MIPI_CSI0_RX_CLK1N: U1000.AU42(MIPI_CSI0_CLK1N)
MIPI_CSI0_RX_CLK1P: U1000.AU41(MIPI_CSI0_CLK1P)
MIPI_CSI0_RX_D0N: U1000.AL41(MIPI_CSI0_D0N)
MIPI_CSI0_RX_D0P: U1000.AL42(MIPI_CSI0_D0P)
MIPI_CSI0_RX_D1N: U1000.AK42(MIPI_CSI0_D1N)
MIPI_CSI0_RX_D1P: U1000.AK41(MIPI_CSI0_D1P)
MIPI_CSI0_RX_D2N: U1000.AT42(MIPI_CSI0_D2N)
MIPI_CSI0_RX_D2P: U1000.AT41(MIPI_CSI0_D2P)
MIPI_CSI0_RX_D3N: U1000.AP41(MIPI_CSI0_D3N)
MIPI_CSI0_RX_D3P: U1000.AP42(MIPI_CSI0_D3P)
MIPI_D/C_PHY0_VREG: C1604.1 U1000.AT33(MIPI_D/C_PHY0_VREG)
MIPI_D/C_PHY1_VREG: C1612.1 U1000.AT27(MIPI_D/C_PHY1_VREG)
MIPI_DPHY0_RX_D3P: U1000.AW41(MIPI_DPHY0_RX_D3P/NO_USE)
MIPI_DPHY0_TX_D3P: U1000.BB37(MIPI_DPHY0_TX_D3P/NO_USE)
MIPI_DPHY1_RX_D3P: U1000.BA29(MIPI_DPHY1_RX_D3P/NO_USE)
MIPI_DPHY1_TX_CLKN: U1000.BA19(MIPI_DPHY1_TX_CLKN/MIPI_CPHY1_T)
MIPI_DPHY1_TX_CLKP: U1000.BB19(MIPI_DPHY1_TX_CLKP/MIPI_CPHY1_T)
MIPI_DPHY1_TX_D0N: U1000.BA16(MIPI_DPHY1_TX_D0N/MIPI_CPHY1_TX)
MIPI_DPHY1_TX_D0P: U1000.BB16(MIPI_DPHY1_TX_D0P/MIPI_CPHY1_TX)
MIPI_DPHY1_TX_D1N: U1000.BB17(MIPI_DPHY1_TX_D1N/MIPI_CPHY1_TX)
MIPI_DPHY1_TX_D1P: U1000.BA17(MIPI_DPHY1_TX_D1P/MIPI_CPHY1_TX)
MIPI_DPHY1_TX_D2N: U1000.BB20(MIPI_DPHY1_TX_D2N/MIPI_CPHY1_TX)
MIPI_DPHY1_TX_D2P: U1000.BA20(MIPI_DPHY1_TX_D2P/MIPI_CPHY1_TX)
MIPI_DPHY1_TX_D3N: U1000.BA22(MIPI_DPHY1_TX_D3N/MIPI_CPHY1_TX)
MIPI_DPHY1_TX_D3P: U1000.BB22(MIPI_DPHY1_TX_D3P/NO_USE)
MIPI_MCLK_SL: U1000.AV39(GPIO3_B1_D)
MIPI_TE0: U1000.AV40(GPIO3_C2_D)
OTG0_REXT: R1404.1 U1000.AU7(TYPEC0_USB20_OTG0_REXT)
PCIE20_0_REFCLKN: U1000.K41(PCIE20_0_REFCLKN)
PCIE20_0_REFCLKP: U1000.L42(PCIE20_0_REFCLKP)
PCIE20_0_RXN: U1000.J41(PCIE20_0_RXN/SATA30_0_RXN)
PCIE20_0_RXP: U1000.J42(PCIE20_0_RXP/SATA30_0_RXP)
PCIE20_0_TXN: U1000.H42(PCIE20_0_TXN/SATA30_0_TXN)
PCIE20_0_TXP: U1000.H41(PCIE20_0_TXP/SATA30_0_TXP)
PCIE20_2_REFCLKN: U1000.F42(PCIE20_2_REFCLKN)
PCIE20_2_REFCLKP: U1000.F41(PCIE20_2_REFCLKP)
PCIE20X1_2_CLKREQN_M0: U1000.AU30(GPIO3_C7_U)
PCIE20X1_2_PERSTN_M0: U1000.AY27(GPIO3_D1_D)
PCIE20X1_2_WAKEN_M0: R1930.2
PCIE20X1_2_WAKEN_M0/PWM8_M2: R1930.1 R1931.1 U1000.AW31(GPIO3_D0_U)
PDM0_CLK0_M0: U1000.M41(GPIO1_C6_D)
PDM0_CLK1_M0: U1000.U35(GPIO1_C4_D)
PDM0_SDI0: U1000.P38(GPIO1_D5_D)
PDM0_SDI2_M0: U1000.P40(GPIO1_D2_D)
PHONE_CTL: U1000.AW19(GPIO4_A4_D)
PMIC_EXT_EN_OUT: R2305.1 U2200.39((M\/S)EXT_EN)
PMIC_FB6: C2216.2 R2218.2 R2227.1 U2200.31(FB6)
PMIC_FB9: C2229.2 R2236.2 R2241.1 U2200.66(FB9)
PMIC_INT_L: R2261.2 U1000.W42(GPIO0_A7_U) U2200.19(INT)
PMIC_PWR_CTRL2: R2242.2 U2200.61(PWRCTRL2)
PMIC_PWR_CTRL3: R2290.2 U2200.16((PWRCTRL3)SO)
PMIC_RESET_L: C1110.1 C2262.1 R1104.1 R2263.2 U1000.V42(NPOR) U2200.40(RESETB)
PMIC_SPI_CLK: R1115.2 U2200.17((SCL)CLK)
PMIC_SPI_CS: R2258.1 U1000.W40(GPIO0_B1_Z) U2200.18((IIC/S\P\I\)CS)
PMIC_SPI_MOSI: R1116.2 U1000.Y38(GPIO0_B3_Z) U2200.15((SDA)MOSI)
PMIC_SW1: L2201.1 U2200.50(SW1_1) U2200.51(SW1_2)
PMIC_SW2: L2203.1 U2200.35(SW2_1) U2200.36(SW2_2)
PMIC_SW3: L2205.1 U2200.55(SW3)
PMIC_SW4: L2207.1 U2200.23(SW4)
PMIC_SW5: L2200.2 U2200.45(SW5)
PMIC_SW6: L2202.2 U2200.29(SW6)
PMIC_SW7: L2209.1 U2200.42(SW7)
PMIC_SW8: L2206.2 U2200.6(SW8)
PMIC_SW9: L2204.2 U2200.68(SW9)
PMIC_SW10: L2208.2 U2200.26(SW10)
